# Altium PCB MOTHERBOARD_Hristo_JLC2313.PcbDoc (part 3 of 4) (continued)
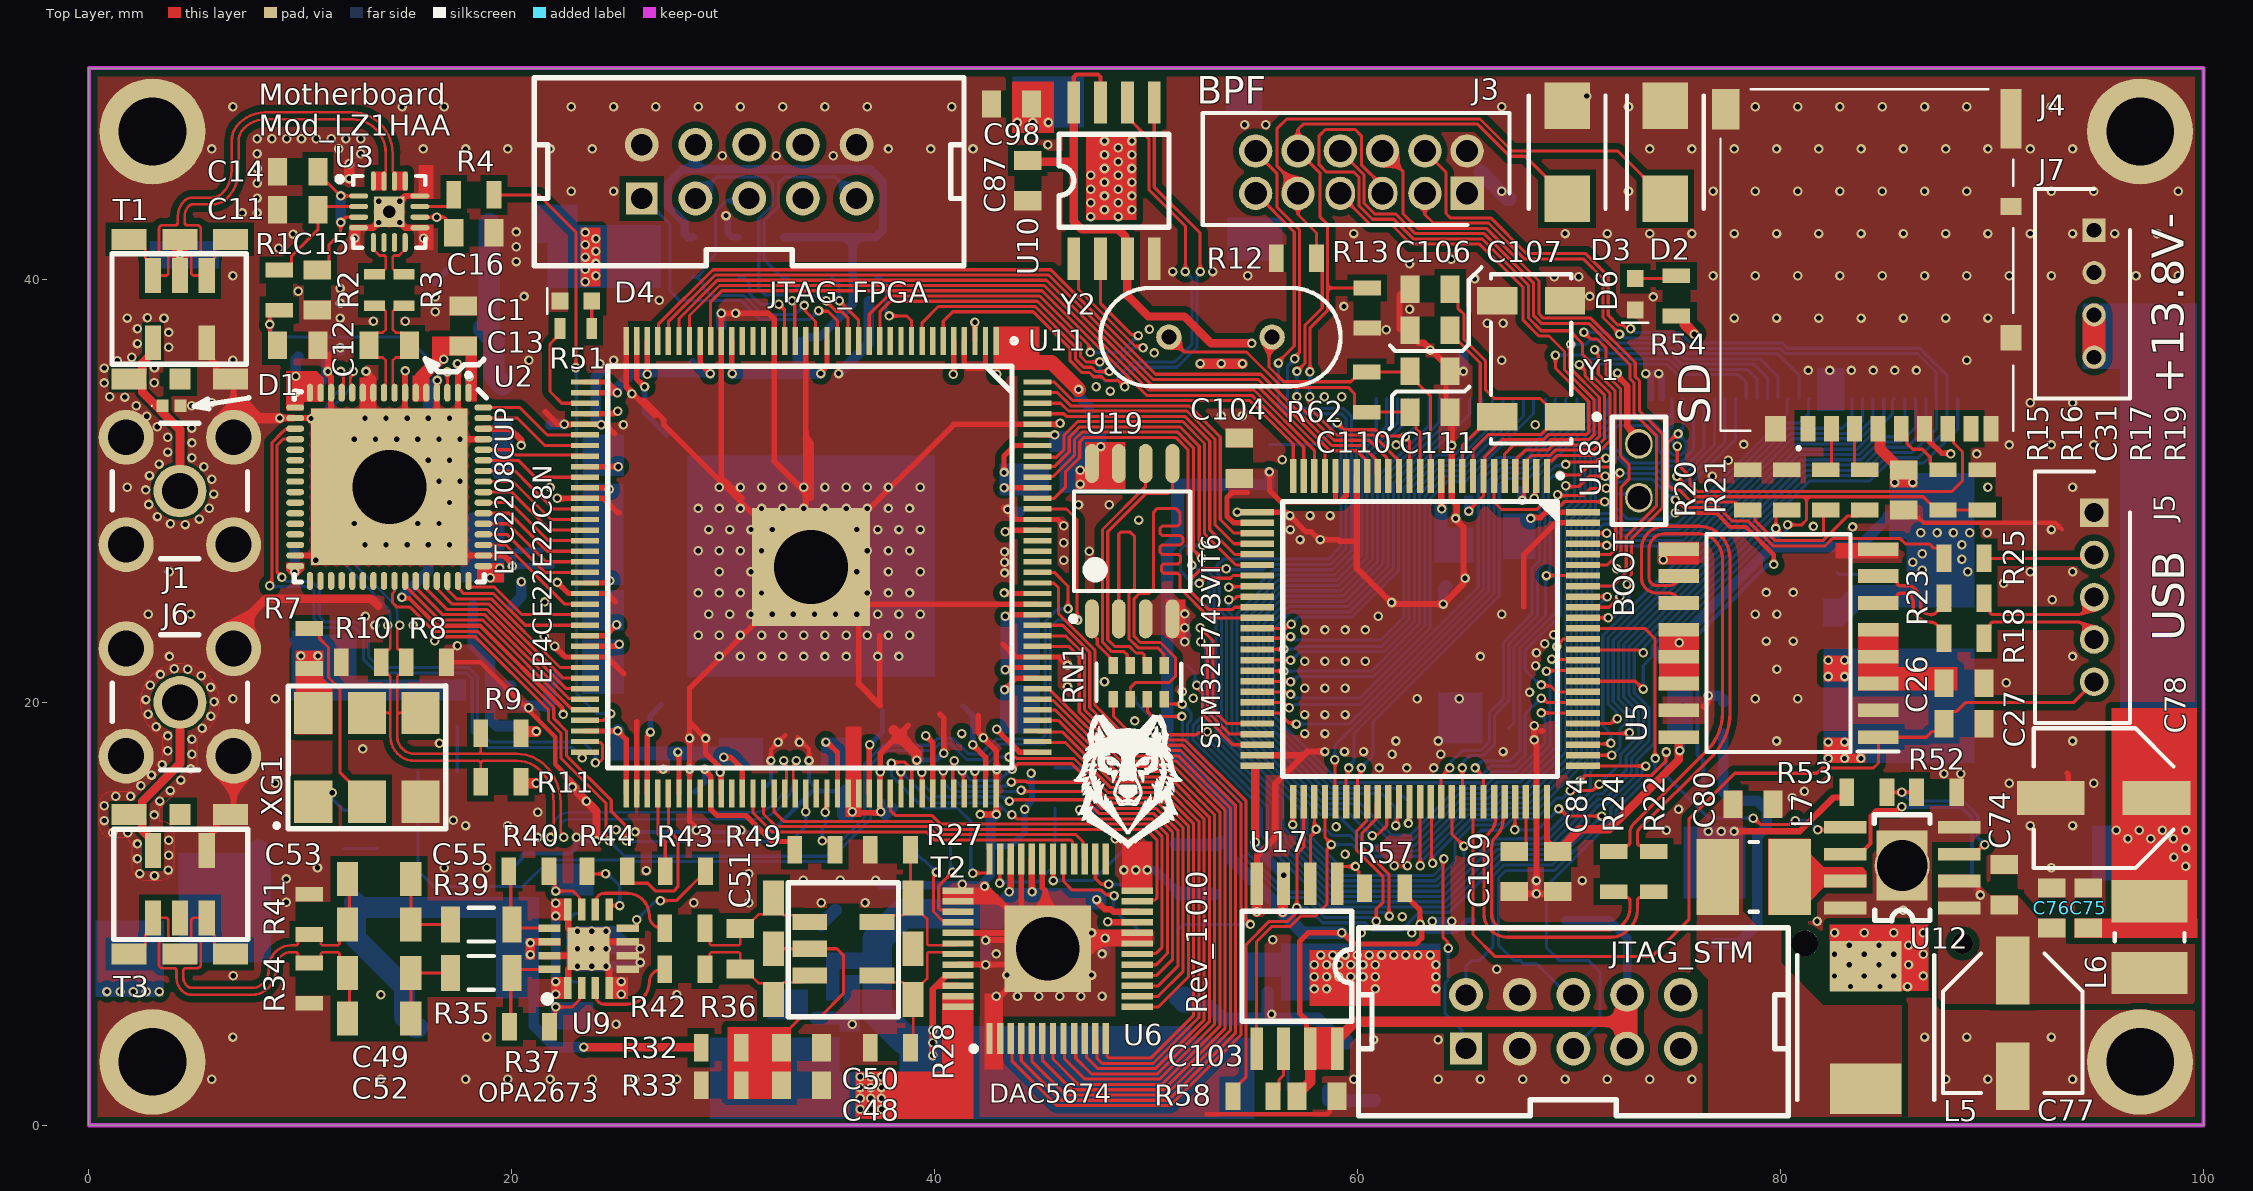
[diagram p0: Top Layer view]
## Nets (pads, with @x,y where several pads share a name; then routed paths per layer and width w, separated by ;. In a path a pad name is that pad's centre, name@x,y a point inside that pad or via, vN(x,y) a via of type N, cw(c..) or ccw(c..) an arc to the next point about the centre after c; other vN are vias at no path point) (continued)
IN_N: T1.1 T1.7 U3.15 U3.16 | length 21.9
  Top Layer w0.122: T1.1@6.7,41.9 6.375,41.9 5.936,41.461 5.936,41.001 5.57,40.635 T1.7@5.57,40.19 4.965,40.19 cw(c4.965,40.312) 4.843,40.312 4.843,41.015 ccw(c4.68,41.015) 4.84,41.047 cw(c4.96,41.068) 4.838,41.067 4.838,41.115 cw(c4.96,41.115) 4.96,41.237 5.125,41.237 ccw(c5.125,41.4) 5.288,41.4 5.288,42.4 ccw(c5.125,42.4) 5.125,42.563 4.647,42.563 cw(c4.647,42.685) 4.525,42.685 4.525,42.992 cw(c5.208,42.992) 4.725,43.475 cw(c4.905,43.295) 4.905,43.55 5.818,43.55 ccw(c5.818,44.556) 6.529,43.844 6.532,43.847 ccw(c5.222,45.157) 7.075,45.157 7.075,46.546 cw(c7.929,46.546) 7.325,47.15 cw(c8.351,46.124) 8.351,47.575 12.464,47.575 cw(c12.464,46.039) 13.55,47.125 cw(c12.374,45.949) 14.037,45.949 14.037,45.159 cw(c13.888,45.159) 13.994,45.053 ccw(c14.099,44.948) 13.95,44.948 U3.15@13.95,44.65
IN_P: T1.3 T1.9 U3.13 U3.14 | length 23
  Top Layer w0.122: T1.3@1.9,41.9 2.225,41.9 2.664,41.461 2.664,41.001 3.03,40.635 T1.9@3.03,40.19 3.635,40.19 ccw(c3.635,40.312) 3.757,40.312 3.757,41.015 cw(c3.92,41.015) 3.76,41.046 ccw(c3.64,41.068) 3.762,41.067 3.762,41.115 ccw(c3.64,41.115) 3.64,41.237 3.475,41.237 cw(c3.475,41.4) 3.312,41.4 3.312,42.4 cw(c3.475,42.4) 3.475,42.563 4.077,42.563 ccw(c4.077,42.685) 4.2,42.685 4.2,42.993 cw(c5.206,42.993) 4.494,43.704 4.496,43.706 cw(c4.903,43.299) 4.903,43.875 5.817,43.875 ccw(c5.817,44.558) 6.3,44.075 ccw(c5.215,45.16) 6.75,45.16 6.75,46.549 cw(c7.923,46.549) 7.093,47.379 7.097,47.382 cw(c8.348,46.131) 8.348,47.9 12.467,47.9 cw(c12.467,46.048) 13.777,47.358 13.783,47.352 cw(c12.383,45.953) 14.363,45.953 14.363,45.159 ccw(c14.512,45.159) 14.406,45.053 cw(c14.301,44.948) 14.45,44.948 U3.14@14.45,44.65
KEY_IN_DASH: J2.48 U18.97 | length 17.2
  Top Layer w0.147: U18.97@70.65,27.5 70.687,27.463 71.739,27.463 v1(71.776,27.425)
  Bottom Layer w0.147: v1(71.776,27.425) 71.8,27.402 75.487,27.402 80.555,32.469 83.408,32.469 84.375,33.435 J2.48@84.375,34.375
KEY_IN_DOT: J2.47 U18.98 | length 16.8
  Top Layer w0.147: U18.98@70.65,28 U18.98@70.65,28 71.775,28.001 v1(71.776,28.003)
  Bottom Layer w0.147: v1(71.776,28.003) 71.801,28.003 72.153,27.65 75.385,27.65 80.452,32.717 83.305,32.717 83.875,33.287 J2.47@83.875,34.375
NetBOOT_1: BOOT.1 R63.2 U18.94 | length 17.8
  Top Layer w0.147: v1(68.925,26) U18.94@70.65,26 ; v1(69.451,29.815) 69.49,29.776 70.676,29.776 71.025,30.125 v1(71.75,30.125)
  Bottom Layer w0.147: R63.2@67.15,18.8 67.397,19.047 67.397,22.637 68.881,24.121 68.881,26.032 69.102,26.253 69.102,29.091 69.451,29.441 v1(69.451,29.815) ; v1(71.75,30.125) 71.832,30.125 72.093,29.863 73.072,29.863 BOOT.1@73.25,29.685
NetBT1_2: BT1.2 D7.2 | length 13.1
  Bottom Layer w0.5: BT1.2@76.9,8.6 78,8.6 78.9,9.5 78.9,13.675 79.35,14.125 79.35,14.9 78.9,15.35 77.7,15.35 77.29,15.76 D7.2@77.29,18.528
NetC1_1: C1.1 C2.1 C3.1 C4.1 C14.2 C15.2 C16.1 L2.2 U2.1 U2.5 U2.6 U2.15 U2.16 U2.17 U2.32 U2.49 U2.62 U3.1 U3.3 U3.10 | length 27.7
  Top Layer w0.147: C15.2@10.8,40.45 10.982,40.45 11.359,40.827 11.359,41.659 11.9,42.2 v1(11.9,42.7) 12.15,42.95 U3.3@12.75,42.95 ; C14.2@10.825,45.1 10.825,45.025 v1(11.9,43.95) U3.1@12.75,43.95 ; U3.10@15.65,42.95 16.8,42.95 17.45,42.3 C16.1@17.45,42.2 ; C1.1@17.6,37.05 17.7,37.05 C1.1@17.95,36.8
  Top Layer w0.3: v1(9.725,26.172) 9.737,26.184 U2.32@9.737,26.434 ; U2.17@9.75,33.947 9.775,33.947 v1(9.775,34.65) 9.804,34.679 9.804,35.396 v1(9.775,35.425) 10.45,35.425 ; U2.16@10.45,34.647 10.45,35.425 ; U2.15@10.95,34.647 10.95,35.249 10.774,35.425 10.45,35.425 ; U2.6@15.45,34.647 15.45,34.95 15.7,35.2 ; v1@16.734,36.225 v1(16.775,36.225) ; C1.1@17.2,36.65 C1.1@17.25,36.7 ; U2.1@17.95,34.647 17.95,35.324 17.985,35.359 v1(17.985,35.399) ; v1@17.95,35.4 C1.1@17.95,36.8 ; U2.49@18.65,26.447 19.287,26.447 19.384,26.35 v1(19.425,26.35) ; U2.62@18.65,32.947 19.903,32.947 20.437,32.413 v1(20.437,32.152) v1@20.409,32.181
  Top Layer w0.5: 15.7,35.2 15.85,35.2 ; C1.1@17.5,36.65 C1.1@17.7,36.85
  Top Layer w0.6: 15.7,35.2 15.7,35.375 16.525,36.2 16.525,36.925 16.55,36.95 ; 17.028,36.7 C1.1@17.25,36.7
  Bottom Layer w0.3: C3.1@9.6,27.25 C3.1@9.725,27.125 ; C4.1@18.225,26.6 18.475,26.35 v1(19.425,26.35)
  Bottom Layer w0.5: v1(9.725,26.172) C3.1@9.725,27.125 ; v1(9.775,34.65) v1(9.775,35.425) 9.775,36.225 C2.1@9.9,36.35 ; v1(11.9,42.7) v1(11.9,43.95)
  Bottom Layer w1: C4.1@18.225,26.7 C4.1@18.375,26.85
  other v1: 18.975,25.9 16.45,42.95
NetC6_2: C6.2 C8.2 L1.1 U1.4 | length 8.1
  Bottom Layer w1: C8.2@18.79,37.815 C8.2@18.65,37.675 19.15,37.175 19.15,35.425 L1.1@19.55,35.025 ; C8.2@18.93,37.815 U1.4@18.93,42.65
NetC9_2: C9.2 C10.1 T1.2 T1.8 | length 4.1
  Top Layer w0.147: T1.8@4.3,40.19 v1(4.3,41.2) T1.2@4.3,41.9
  Bottom Layer w0.147: C10.1@3.1,41.175 C9.2@5.5,41.175
NetC11_1: C11.1 R1.1 U3.2 | length 5.4
  Top Layer w0.147: R1.1@9,40.45 9.298,40.45 9.575,40.727 9.575,41.1 10.825,42.35 C11.1@10.825,43.3 ; C11.1@11.1,43.45 U3.2@12.75,43.45
NetC12_1: C12.1 R1.2 U2.3 | length 12.6
  Top Layer w0.147: C12.1@8.925,36.906 8.55,37.281 8.55,38.273 8.827,38.55 R1.2@9,38.55 ; v1(16.942,35.64) 16.946,35.636 16.946,34.651 U2.3@16.95,34.647
  Bottom Layer w0.147: v1(8.55,37.875) 8.608,37.817 8.608,37.542 8.875,37.275 15.025,37.275 16.632,35.668 16.914,35.668 v1(16.942,35.64)
NetC18_2: C18.2 R5.2 XG1.1 | length 3.7
  Top Layer w0.147: XG1.1@10.605,15.302 11.028,15.725 v1(11.5,15.725)
  Bottom Layer w0.147: v1(11.5,15.725) 11.5,15.45 12.05,14.9 R5.2@13.65,14.9
NetC19_2: C19.2 R6.2 | length 1.6
  Bottom Layer w0.147: C19.2@12.05,13.1 R6.2@13.65,13.1
NetC20_2: C20.2 C22.2 C23.1 C25.2 R7.1 U4.5 XG1.6 XG2.4 | length 15.5
  Top Layer w0.147: v1(10.025,22.2) 10.025,21.877 10.302,21.6 R7.1@10.425,21.6 10.605,21.42 XG1.6@10.605,19.502
  Bottom Layer w0.3: C25.2@9.6,22.95 C25.2@9.8,22.95 ; C23.1@10.7,20.1 10.05,20.75 10.05,22.175 v1(10.025,22.2) 10.05,22.225 10.05,22.7 C25.2@9.8,22.95 ; XG2.4@11.9,22.6 11.55,22.95 C25.2@9.8,22.95
  Bottom Layer w0.5: C23.1@11.385,20.785 13.7,20.785 15.5,20.785 U4.5@17.216,20.785
  Bottom Layer w0.6: C23.1@10.7,20.1 C23.1@11.385,20.785
  other v1: 10.825,22.2
NetC21_2: C21.2 L3.2 U4.1 U4.3 | length 7.9
  Bottom Layer w0.5: L3.2@18.15,24.6 18.15,22.8 18.15,22.7 18.975,21.875 18.975,20.775 ; U4.3@19.966,18.885 19.282,18.885 18.975,19.193 18.975,20.775 ; U4.1@19.966,20.785 18.985,20.785 18.975,20.775
NetC24_2: C24.2 U4.4 | length 2.2
  Bottom Layer w0.147: C24.2@17.4,16.7 17.416,16.7 U4.4@17.416,18.885
NetC26_2: C26.2 U5.3 U5.4 U5.5
NetC32_2: C32.2 U6.39 | length 4.2
  Top Layer w0.147: v1(40.85,11.975) 40.84,11.975 40.187,11.322 40.187,10.264 40.274,10.177 41.018,10.177 U6.39@41.101,10.094
  Bottom Layer w0.147: C32.2@40.75,13.125 40.75,12.157 40.85,12.057 v1(40.85,11.975)
NetC33_2: C33.2 R29.2 U6.35 | length 6.8
  Top Layer w0.147: v1(43.064,11.45) 43.076,11.462 43.076,12.569 U6.35@43.089,12.582
  Bottom Layer w0.147: v1(43.064,11.45) 43.112,11.498 44.848,11.498 45.541,12.191 45.541,13.066 45.675,13.2 R29.2@45.675,15
NetC34_2: C34.2 R29.1 | length 2
  Bottom Layer w0.147: R29.1@45.675,16.908 C34.2@47.7,16.908
NetC35_2: C35.2 U6.30 | length 5.7
  Top Layer w0.147: U6.30@45.589,12.582 45.594,12.577 45.594,11.581 v1(45.6,11.575)
  Bottom Layer w0.147: v1(45.6,11.575) 47.475,11.575 48.841,12.941 49.241,12.941 C35.2@49.6,13.3
NetC40_2: C40.2 U7.4 | length 2.1
  Bottom Layer w0.147: C40.2@56.7,1.675 U7.4@56.7,3.75
NetC48_2: C48.2 C50.2 R32.1 R33.1 T2.2 T2.8 | length 16.8
  Top Layer w0.147: R33.1@30.85,1.8 R33.1@30.85,2.1 ; R32.1@30.85,3.7 R33.1@30.85,2.1 ; R32.1@30.85,3.9 C50.2@32.55,3.9 ; T2.2@32.375,8.35 T2.8@34.085,8.35 35.375,8.35 35.675,8.05 35.675,6.225 34.6,5.15 33.7,5.15 32.55,4 C50.2@32.55,3.9 ; C48.2@32.55,1.8 C48.2@32.55,2.1 ; R33.1@30.85,2.1 C48.2@32.55,2.1 ; C48.2@32.55,2.1 C50.2@32.55,3.9
NetC49_2: C49.2 C52.2 R35.1 | length 4.1
  Top Layer w0.147: C52.2@15.219,5.048 C49.2@15.219,7.207 R35.1@17.145,7.207
NetC53_2: C53.2 C55.2 R39.1 | length 4.1
  Top Layer w0.147: C53.2@15.219,11.652 C55.2@15.219,9.493 R39.1@17.145,9.493
NetC54_1: C54.1 R40.2 U9.11 | length 4.5
  Top Layer w0.147: R40.2@21.803,11.844 22.03,11.617 22.03,11.115 v1(22.068,11.077) ; v1@22.05,11.025 22.102,11.077 22.895,11.077 23.198,10.773 23.198,10.189 U9.11@23.272,10.116
  Bottom Layer w0.147: v1(22.068,11.077) 22.508,11.077 22.606,11.175 22.672,11.175 22.823,11.327 22.823,11.548 C54.1@23.2,11.925
NetC54_2: C54.2 R38.2 | length 4
  Bottom Layer w0.147: R38.2@23.2,6.775 22.902,6.775 22.625,7.052 22.625,9.648 23.002,10.025 C54.2@23.2,10.025
NetC74_2: C74.2 C76.2 C77.1 L6.2 U12.1 U12.2 U12.6 | length 13.2
  Top Layer w0.2: U12.6@83.05,12.82 83.75,12.82 84.252,13.322 84.252,14.627 84.523,14.898 85.493,14.898 85.645,15.05 v1@85.725,15.05 ; U12.2@88.45,11.55 89.15,11.55 89.35,11.35 89.35,10.993 v1(89.45,10.893)
  Bottom Layer w0.2: v1(85.725,15.062) 88.538,15.062 89.048,14.552 89.048,11.295 v1(89.45,10.893)
NetC75_2: C75.2 C78.1 D5.1 L4.1 L6.1
  other v1: 0.85,6.325 1.469,6.325 2.087,6.325 2.706,6.325 3.325,6.325 99.15,12.25 98.6,12.675 99.15,13.1 96.425,13.55 97.5,13.55 98.575,13.55 95.875,13.95 96.967,13.95 98.058,13.95 99.15,13.95
NetC92_2: C92.2 U13.5 | length 2.2
  Bottom Layer w0.147: C92.2@82.675,26.125 82.744,26.057 U13.5@84.841,26.057
NetC106_1: C106.1 U18.8 Y1.1 | length 15.7
  Top Layer w0.147: C106.1@64.175,39.45 64.273,39.45 64.75,38.973 64.75,38.625 65.025,38.35 65.025,37.175 66.045,36.155 66.045,34.78 66.45,34.375 68.625,34.375 Y1.1@69.5,33.5 ; U18.8@65.45,30.7 65.45,31.941 66.184,32.675 68.675,32.675 Y1.1@69.5,33.5 ; Y1.1@69.8,33.5 Y1.1@69.5,33.5
NetC107_1: C107.1 U18.9 Y1.4 | length 7.9
  Top Layer w0.147: C107.1@64.375,37.608 64.375,37.408 64.752,37.032 64.817,37.032 65.797,36.052 65.797,32.997 64.95,32.15 U18.9@64.95,30.7
NetC108_2: C108.2 U18.48 | length 5.8
  Top Layer w0.147: v1(52.381,20.816) 52.381,20.734 52.653,20.462 52.653,19.444 52.925,19.172 54.097,18 U18.48@55.25,18
  Bottom Layer w0.147: C108.2@51.925,21.75 52.302,21.373 52.302,20.977 52.381,20.898 v1(52.381,20.816)
NetC109_2: C109.2 U18.73 | length 2.7
  Top Layer w0.147: C109.2@67.4,12.95 67.573,12.95 67.95,13.327 U18.73@67.95,15.3
NetC110_2: C110.2 R62.1 U18.12 Y2.1 | length 14
  Top Layer w0.147: Y2.1@55.922,37.272 55.804,37.154 55.804,35.865 56.503,35.167 59.667,35.167 60.125,35.625 62.433,35.625 C110.2@62.475,35.667 62.852,35.29 62.852,35.073 63.45,34.475 63.45,32.525 U18.12@63.45,30.7
NetC111_2: C111.2 R62.2 U18.13 Y2.2 | length 16.3
  Top Layer w0.147: Y2.2@51.099,37.275 51.799,36.575 54.743,36.575 56.418,34.9 59.55,34.9 59.848,34.602 59.848,34.002 60.125,33.725 C111.2@62.475,33.725 ; C111.2@62.275,33.425 62.482,33.425 62.759,33.148 62.759,32.941 62.95,32.75 U18.13@62.95,30.7
NetD1_1: D1.1 J1.5 T1.4 T1.11 | length 8.5
  Top Layer w0.415: T1.4@1.9,35.3 T1.4@2.225,35.3 ; T1.11@3.03,37.01 3.03,36.565 2.517,36.052 2.517,35.592 T1.4@2.225,35.3 ; J1.5@4.3,30 4.3,32.9 2.517,34.683 2.517,35.008 T1.4@2.225,35.3
NetD4_1: D4.1 R51.1 | length 1.3
  Top Layer w0.147: R51.1@23.775,37.675 D4.1@23.775,38.976
NetD6_1: D6.1 R54.1 | length 2
  Top Layer w0.147: D6.1@73.124,40.05 74.95,40.05 R54.1@75.075,40.175
NetD7_3: D7.3 U18.6 | length 28.6
  Top Layer w0.147: U18.6@66.45,30.7 66.45,29.475 66.8,29.125 68.475,29.125 68.675,29.325 69.6,29.325 69.768,29.493 v1(71.678,29.493)
  Top Layer w0.2: v1(75.022,28.975) 75.045,28.952 76.962,28.952 77.614,28.3 78.358,28.3 79.675,26.983 v1(79.675,26.525)
  Bottom Layer w0.147: v1(71.678,29.493) 71.998,29.173 72.261,29.173 72.767,28.667 74.699,28.667 75.007,28.975 v1(75.022,28.975)
  Bottom Layer w0.2: D7.3@76.34,16.228 76.34,17.26 76.075,17.525 76.075,23.2 79.366,26.491 79.641,26.491 v1(79.675,26.525)
NetJ4_2: J4.2 R15.1 | length 2.5
  Top Layer w0.147: R15.1@82.025,31 82.123,31 82.4,31.277 J4.2@82.4,32.95 J4.2@82.129,32.679
NetJ4_3: J4.3 R16.1 | length 2.2
  Top Layer w0.147: J4.3@83.5,32.95 83.5,31.277 83.777,31 R16.1@83.915,31
NetJ4_5: J4.5 R17.1 | length 2.9
  Top Layer w0.147: J4.5@85.7,32.95 85.971,32.679 85.971,32.254 86.25,31.975 86.7,31.975 87.078,31.597 87.078,31.277 R17.1@87.355,31
NetJ5_2: J5.2 R25.1 | length 5.3
  Top Layer w0.147: R25.1@89.625,26.812 94.662,26.812 J5.2@94.825,26.975
NetJ6_5: J6.5 T3.6 T3.10 | length 8.5
  Top Layer w0.415: T3.6@1.9,14.7 T3.6@2.225,14.7 ; T3.10@3.03,12.99 3.03,13.435 2.517,13.948 2.517,14.408 T3.6@2.225,14.7 ; J6.5@4.3,20 4.3,17.1 2.517,15.317 2.517,14.992 T3.6@2.225,14.7
NetJTAG_FPGA_1: JTAG_FPGA.1 U11.16 | length 14.9
  Top Layer w0.147: v1(34.5,38.525) 34.527,38.498 34.945,38.498 35.4,38.043 U11.16@35.4,37.1
  Bottom Layer w0.147: JTAG_FPGA.1@26.14,43.96 27.472,42.628 27.472,39.464 27.934,39.002 30.847,39.002 31.749,38.1 32.1,38.1 34.075,38.1 v1(34.5,38.525)
NetJTAG_FPGA_3: JTAG_FPGA.3 U11.20 | length 13.2
  Top Layer w0.147: v1(33.25,39) 33.25,38.918 33.377,38.791 33.377,37.123 U11.20@33.4,37.1
  Bottom Layer w0.147: JTAG_FPGA.3@28.68,43.96 28.81,43.96 29.7,44.85 32.025,44.85 32.325,44.55 32.325,43.525 31.675,42.875 31.675,39.55 31.95,39.275 32.895,39.275 33.17,39 v1(33.25,39)
NetJTAG_FPGA_5: JTAG_FPGA.5 R45.1 U11.18 | length 14.1
  Top Layer w0.147: v1(33.825,38.775) 33.883,38.717 33.883,38.492 34.36,38.015 34.36,37.14 U11.18@34.4,37.1
  Bottom Layer w0.147: JTAG_FPGA.5@31.47,43.71 31.22,43.96 30.985,43.725 30.15,43.725 29.625,43.2 29.625,41.175 29.034,40.584 29.034,40.377 28.808,40.15 28.6,40.15 R45.1@28.55,40.1 28.758,40.1 29.034,39.823 29.034,39.616 29.4,39.25 30.95,39.25 31.852,38.348 33.398,38.348 v1(33.825,38.775)
NetJTAG_FPGA_9: JTAG_FPGA.9 R46.1 U11.15 | length 14.3
  Top Layer w0.147: v1(34.875,39) 34.875,38.956 35.331,38.5 35.575,38.5 35.9,38.175 35.9,37.931 U11.15@35.9,37.1
  Bottom Layer w0.147: v1@34.871,39.004 34.858,39.004 34.637,39.225 33.85,39.225 32.975,40.1 32.775,40.1 32.198,40.677 31.923,40.952 31.923,42.772 32.6,43.449 32.6,44.55 32.9,44.85 35.28,44.85 36.17,43.96 JTAG_FPGA.9@36.3,43.96
NetL1_2: L1.2 L2.1 | length 2.1
  Bottom Layer w1: L1.2@19.562,32.975 19.562,30.937 L2.1@19.575,30.925
NetL7_1: L7.1 U12.7
NetR4_1: R4.1 U3.11 | length 2
  Top Layer w0.147: U3.11@15.65,43.45 16.947,43.45 R4.1@17.45,43.953
NetR7_2: R7.2 XG1.2 | length 9.4
  Top Layer w0.147: R7.2@10.425,23.5 10.633,23.5 10.909,23.223 10.909,23.016 11.325,22.6 11.325,21.175 11.875,20.625 11.875,16.672 13.145,15.402 XG1.2@13.145,15.302
NetR26_2: R26.2 U6.40 | length 4.9
  Top Layer w0.147: v1(40.075,11.975) 40.075,11.893 39.939,11.757 39.939,10.108 40.389,9.658 41.037,9.658 U6.40@41.101,9.594
  Bottom Layer w0.147: R26.2@39.15,13.125 39.15,12.825 39.427,12.548 39.502,12.548 v1(40.075,11.975)
NetR30_2: R30.2 U6.29 | length 6.1
  Top Layer w0.147: U6.29@46.089,12.582 46.089,11.536 46.5,11.125 47.866,11.125 48.078,10.913 48.418,10.913 v1(48.476,10.855)
  Bottom Layer w0.147: v1(48.476,10.855) 48.45,10.829 48.45,10.225 49.091,9.584 49.298,9.584 49.575,9.308 R30.2@49.575,9.1
NetR31_2: R31.2 U6.26 | length 3.1
  Top Layer w0.147: U6.26@47.589,12.582 47.589,11.686 47.875,11.4 v1(48.225,11.4)
  Bottom Layer w0.147: v1(48.225,11.4) 48.231,11.394 49.356,11.394 R31.2@49.575,11.175
NetR35_2: R35.2 R37.1 U9.16 | length 4.5
  Top Layer w0.147: R37.1@19.881,4.667 19.945,4.731 19.945,7.207 20.113,7.375 U9.16@21.775,7.375
NetR36_2: R36.2 U9.3 | length 4.7
  Top Layer w0.147: U9.3@23.95,6.5 23.95,6.15 ccw(c24.375,6.15) 24.375,5.725 25.45,5.725 ccw(c25.45,6.775) 25.707,5.757 ccw(c25.45,6.775) 26.468,6.518 ccw(c25.45,6.775) 26.5,6.775 cw(c27.1,6.775) R36.2@27.1,7.375
NetR37_2: R37.2 R38.1 U9.2 | length 4.4
  Top Layer w0.147: R37.2@21.781,4.667 22.058,4.944 22.058,5.583 v1(22.075,5.6) 22.081,5.594 22.856,5.594 23.198,5.936 23.198,6.286 U9.2@23.3,6.388
  Bottom Layer w0.147: v1(22.075,5.6) 22.804,5.6 22.956,5.448 22.956,5.119 R38.1@23.2,4.875
NetR39_2: R39.2 R40.1 U9.13 | length 4.5
  Top Layer w0.147: R40.1@19.853,12.006 19.945,11.914 19.945,9.493 20.113,9.325 U9.13@21.775,9.325
NetR42_1: R42.1 U9.10 | length 4.8
  Top Layer w0.147: U9.10@23.95,10.2 23.95,10.55 cw(c24.375,10.55) 24.375,10.975 25.45,10.975 cw(c25.45,9.925) 25.707,10.943 cw(c25.45,9.925) 26.468,10.182 cw(c25.45,9.925) 26.5,9.925 ccw(c27.1,9.925) 27.1,9.325 R42.1@27.225,9.325
NetR43_2: R43.2 U9.8 | length 4.9
  Top Layer w0.147: U9.8@25.475,9.325 25.801,9.325 25.903,9.427 v1(25.903,9.719) ; v1(27.025,10.627) 27.774,10.627 R43.2@29.153,12.006
  Bottom Layer w0.147: v1@25.9,9.825 25.907,9.818 26.002,9.818 26.753,10.569 26.967,10.569 v1(27.025,10.627)
NetR44_2: R44.2 U9.9 | length 3.4
  Top Layer w0.147: R44.2@23.553,11.894 v1(24.428,11.894) ; U9.9@24.6,10.088 24.6,10.292 24.702,10.394 v1(25.103,10.394)
  Bottom Layer w0.147: v1@24.425,12 25.1,11.325 v1@25.1,10.5
NetR47_1: R47.1 U11.9 | length 4.3
  Top Layer w0.147: v1(37.85,38.275) 38.675,38.275 38.9,38.05 U11.9@38.9,37.1
  Bottom Layer w0.147: R47.1@37.2,40.1 37.423,40.1 37.7,39.823 37.7,38.507 37.85,38.357 v1(37.85,38.275)
NetR48_1: R48.1 U11.14 | length 3.5
  Top Layer w0.147: v1(35.475,39) 36.4,38.075 U11.14@36.4,37.1
  Bottom Layer w0.147: R48.1@35.123,40.1 35.475,39.748 v1(35.475,39)
NetR49_2: R49.2 U11.92 | length 3.4
  Top Layer w0.147: v1(34.675,13.45) 34.998,13.45 35.275,13.173 R49.2@35.275,12.8 ; v1(34.822,14.808) 34.861,14.847 34.861,15.661 U11.92@34.9,15.7
  Bottom Layer w0.147: v1(34.675,13.45) 34.675,14.05 34.822,14.197 v1(34.822,14.808)
NetR50_1: R50.1 U11.21 | length 4.6
  Top Layer w0.147: v1(32.625,38.827) 32.9,38.552 U11.21@32.9,37.1
  Bottom Layer w0.147: R50.1@30.712,40.1 30.955,40.1 31.232,39.823 31.232,39.35 31.755,38.827 v1(32.625,38.827)
NetR51_2: R51.2 U11.39 | length 5
  Top Layer w0.147: R51.2@22.275,37.675 22.275,37.425 22.098,37.248 21.8,36.95 21.8,34.7 22.35,34.15 U11.39@23.45,34.15
NetR52_2: R52.2 R53.1 U12.3 | length 9
  Top Layer w0.147: R53.1@85.19,15.222 85.025,15.387 R53.1@85.025,15.75 v1(85.725,15.75) R52.2@86.425,15.75 ; U12.3@88.45,12.82 89.15,12.82 89.605,13.275 v1(89.65,13.275)
  Bottom Layer w0.147: v1(85.725,15.75) 86.138,15.337 88.651,15.337 89.323,14.666 89.323,13.602 v1(89.65,13.275)
NetR58_1: R58.1 U17.6 | length 2.1
  Top Layer w0.147: R58.1@56.274,1.649 56.274,2.149 56.49,2.365 U17.6@56.49,3.625
NetRN1_1: RN1.1 U19.2 | length 12.3
  Top Layer w0.147: U19.2@48.701,23.951 48.701,27.964 48.787,28.05 49.25,28.05 49.45,27.85 49.45,25.399 49.175,25.124 49.175,23.151 49.177,23.149 49.177,23.021 49.617,22.582 50.543,22.582 50.841,22.284 50.841,21.759 RN1.1@50.85,21.75
NetRN1_2: RN1.2 U19.5 | length 12.8
  Top Layer w0.147: RN1.2@50.05,21.75 49.905,21.895 49.905,22.248 49.819,22.334 49.514,22.334 49.199,22.648 48.5,22.648 48.178,22.97 48.178,28.077 49.976,29.874 51.001,29.874 51.24,30.114 U19.5@51.24,31.3
NetRN1_3: RN1.3 U19.6 | length 11.3
  Top Layer w0.147: RN1.3@49.25,21.75 49.098,21.902 49.098,22.252 48.95,22.4 48.375,22.4 47.93,22.845 47.93,28.18 49.97,30.22 U19.6@49.97,31.3
NetRN1_4: RN1.4 U19.1 | length 2.6
  Top Layer w0.147: U19.1@47.43,23.95 47.43,23.264 47.682,23.012 47.682,22.742 48.298,22.125 48.298,21.902 RN1.4@48.45,21.75
OFA: U2.60 U11.44 | length 4.9
  Top Layer w0.147: U2.60@18.65,31.947 19.928,31.947 20.171,31.704 23.396,31.704 U11.44@23.45,31.65
PERI_MISO: J2.29 J4.7 U17.2 U18.53 | length 58.4
  Top Layer w0.147: U17.2@57.76,11.425 57.76,13.653 58.031,13.924 v1(58.031,14.007) 58.031,14.089 57.95,14.17 U18.53@57.95,15.3 ; v1(75.11,32.119) 75.11,31.29 75.722,30.678 75.722,30.306 76.053,29.975 88.1,29.975 88.6,30.475 88.6,31.85 88.177,32.273 88.177,32.673 J4.7@87.9,32.95
  Bottom Layer w0.147: v1(58.031,14.007) 58.09,13.949 58.55,13.949 58.799,13.7 59.674,13.7 60.399,12.975 60.425,12.975 62.788,12.975 65.008,15.195 66.252,15.195 66.8,15.744 67.924,15.744 69.847,17.667 69.847,28.783 70.508,29.443 70.508,31.976 72.131,33.6 74.875,33.6 ; J2.29@74.875,34.375 74.875,33.6 ; v1(75.11,32.119) 75.11,32.121 74.722,32.509 74.722,32.891 74.875,33.044 74.875,33.6
PERI_MOSI: J2.30 R16.2 R20.2 U17.5 U18.54 | length 65.3
  Top Layer w0.147: U17.5@55.22,3.625 55.22,8.695 55.921,9.396 56.797,9.396 57.301,9.9 58,9.9 58.55,10.45 58.55,13.039 58.75,13.239 v1(58.75,13.277) ; U18.54@58.45,15.3 58.457,15.293 58.457,13.614 58.7,13.371 v1@58.7,13.3 ; v1(75.147,32.694) 75.084,32.694 74.672,32.282 74.672,30.303 74.925,30.05 75.2,30.05 75.775,29.475 77.85,29.475 78.338,28.987 78.375,29.025 78.583,29.025 78.784,28.823 78.784,28.616 79.35,28.05 79.35,28.049 79.75,27.648 81.998,27.648 83.173,28.823 83.638,28.823 R16.2@83.915,29.1
  Bottom Layer w0.147: v1(58.75,13.277) 59.745,13.277 60.296,12.727 62.891,12.727 65.111,14.947 66.355,14.947 66.903,15.495 68.027,15.495 70.095,17.564 70.095,28.68 70.756,29.341 70.756,31.873 72.231,33.348 73.853,33.348 74.473,32.728 74.473,32.153 74.934,31.693 75.286,31.693 75.535,31.942 75.535,32.306 v1@75.221,32.621 ; v1(75.147,32.694) v1@75.221,32.621 ; J2.30@75.375,34.375 75.375,33.004 75.205,32.835 75.205,32.636 v1@75.221,32.621
PERI_SCK: J2.33 R17.2 R19.2 R58.2 U18.52 | length 72.5
  Top Layer w0.147: R58.2@54.1,1.375 54.1,1.675 54.725,2.3 54.725,8.551 55.818,9.644 56.694,9.644 56.864,9.814 57.063,10.013 57.063,10.24 v1(57.117,10.295) ; v1@57.125,10.295 57.125,12.837 57.45,13.163 U18.52@57.45,15.3 ; v1(75.097,30.697) 75.405,30.39 75.405,30.271 75.95,29.727 81.225,29.727 ; v1(80.326,28.398) 80.998,28.398 81.225,28.625 81.225,29.727 ; R19.2@89.525,29.1 87.379,29.1 86.753,29.727 81.225,29.727
  Bottom Layer w0.147: v1(57.117,10.295) 57.617,10.295 58.332,9.58 60.345,9.58 60.699,9.226 62.052,9.226 62.903,10.077 64.328,10.077 66.807,12.556 69.111,12.556 70.919,14.363 70.919,14.644 71.453,15.178 71.783,15.178 73.197,16.593 73.197,17.254 74.019,18.076 74.019,21.909 74.175,22.066 74.175,22.551 79.399,27.775 79.927,27.775 80.27,28.118 80.27,28.342 v1(80.326,28.398) ; v1(75.097,30.697) 75.128,30.728 75.404,30.728 76.875,32.199 J2.33@76.875,34.375
PGA: U2.64 U11.42 | length 5.3
  Top Layer w0.147: U2.64@18.65,33.947 20.378,33.947 21.675,32.65 U11.42@23.45,32.65
PREAMP: R4.2 U11.69 | length 29.8
  Top Layer w0.147: R4.2@19.15,44 21.275,44 23.025,42.25 v1(23.025,35.825) ; U11.69@23.45,19.15 24.35,19.15 v1(24.675,19.475)
  Bottom Layer w0.147: v1(23.025,35.825) 23.05,35.8 23.05,20.427 24.002,19.475 v1(24.675,19.475)
PTT_IN: J2.46 U18.91 | length 21.6
  Top Layer w0.147: U18.91@70.65,24.5 71.902,24.5 v1(72.4,25) v1(72.4,25)
  Bottom Layer w0.147: v1(72.4,25) 72.344,25.056 72.344,25.281 72.15,25.475 71.5,25.475 71.337,25.638 71.337,28.165 71.6,28.428 71.952,28.428 72.477,27.903 75.286,27.903 80.349,32.965 82.929,32.965 83.375,33.411 J2.46@83.375,34.375
PWR_HOLD: J2.23 U18.83 | length 17.6
  Top Layer w0.147: v1(68.676,20.825) 68.722,20.779 69.121,20.779 69.4,20.5 U18.83@70.65,20.5
  Bottom Layer w0.147: v1(68.676,20.825) 68.625,20.825 67.923,21.527 67.923,22.461 69.598,24.135 69.598,28.886 70.259,29.546 70.259,32.079 71.798,33.618 71.798,34.298 J2.23@71.875,34.375
PWR_ON: J2.22 U18.2 | length 7.1
  Top Layer w0.147: v1(68.351,29.653) 68.401,29.703 68.401,30.651 U18.2@68.45,30.7
  Bottom Layer w0.147: v1(68.351,29.653) 68.351,30.523 71.304,33.475 71.304,34.304 J2.22@71.375,34.375
RAND: U2.63 U11.43 | length 5.3
  Top Layer w0.147: U2.63@18.65,33.447 20.253,33.447 21.55,32.15 U11.43@23.45,32.15
RFUNT_ALC: J3.11 R14.1 U18.35 | length 32.8
  Top Layer w0.147: v1(53.782,26.322) 52.595,26.322 52.075,25.801 52.075,25.261 52.934,24.402 54.086,24.402 54.184,24.5 U18.35@55.25,24.5 ; J3.11@55.175,44.075 57,42.25 57,36.859 56.253,36.112 v1(56.253,36.051)
  Bottom Layer w0.147: v1(53.782,26.322) 53.83,26.273 55.521,26.273 55.769,26.522 58.698,26.522 59.453,27.276 59.453,33.422 59.225,33.65 56.75,33.65 56.253,34.147 v1(56.253,36.051)
RFUNT_CLK: J3.5 U18.1 | length 33.9
  Top Layer w0.147: J3.5@60.825,44.075 J3.5@61.065,43.835 ; J3.5@61.175,44.075 61.175,44.426 60.175,45.426 60.175,46.8 59.878,47.097 58.472,47.097 58.175,46.8 58.175,45.425 58.525,45.075 59.824,45.075 60.052,44.847 60.052,43.497 60.7,42.848 61.7,42.848 62.625,41.923 65.875,41.923 68.073,39.725 68.073,38.176 68.672,37.578 70.022,37.578 70.625,36.975 70.625,36.475 71,36.1 71,35.555 71.928,34.627 71.928,32.375 71.234,31.681 69.438,31.681 69.183,31.427 69.027,31.427 68.95,31.35 U18.1@68.95,30.7
RFUNT_DATA: J3.7 U18.5 | length 25.2
  Top Layer w0.147: J3.7@58.825,44.075 J3.7@58.825,44.426 ; J3.7@59.175,44.075 59.175,44.022 60.597,42.6 61.597,42.6 62.522,41.675 65.772,41.675 66.812,40.636 67.825,39.622 67.825,38.074 68.569,37.33 69.045,37.33 69.777,36.598 69.777,35.725 71.183,34.318 71.183,32.684 70.925,32.427 69.129,32.427 68.881,32.178 67.378,32.178 66.95,31.75 U18.5@66.95,30.7
RFUNT_OE: J3.8 U18.93 | length 33.2
  Top Layer w0.147: J3.8@58.825,45.725 J3.8@58.825,46.075 ; J3.8@59.175,46.075 60.3,44.95 60.3,43.6 60.8,43.1 61.8,43.1 62.728,42.172 65.978,42.172 68.322,39.828 68.322,38.279 68.675,37.927 70.923,37.927 72.877,35.973 72.877,35.301 73.075,35.102 73.075,33.667 74.125,32.617 74.125,29.273 72.7,27.848 72.7,26.15 72.05,25.5 U18.93@70.65,25.5